# KiCad board ergoducks.kicad_pcb (continued)
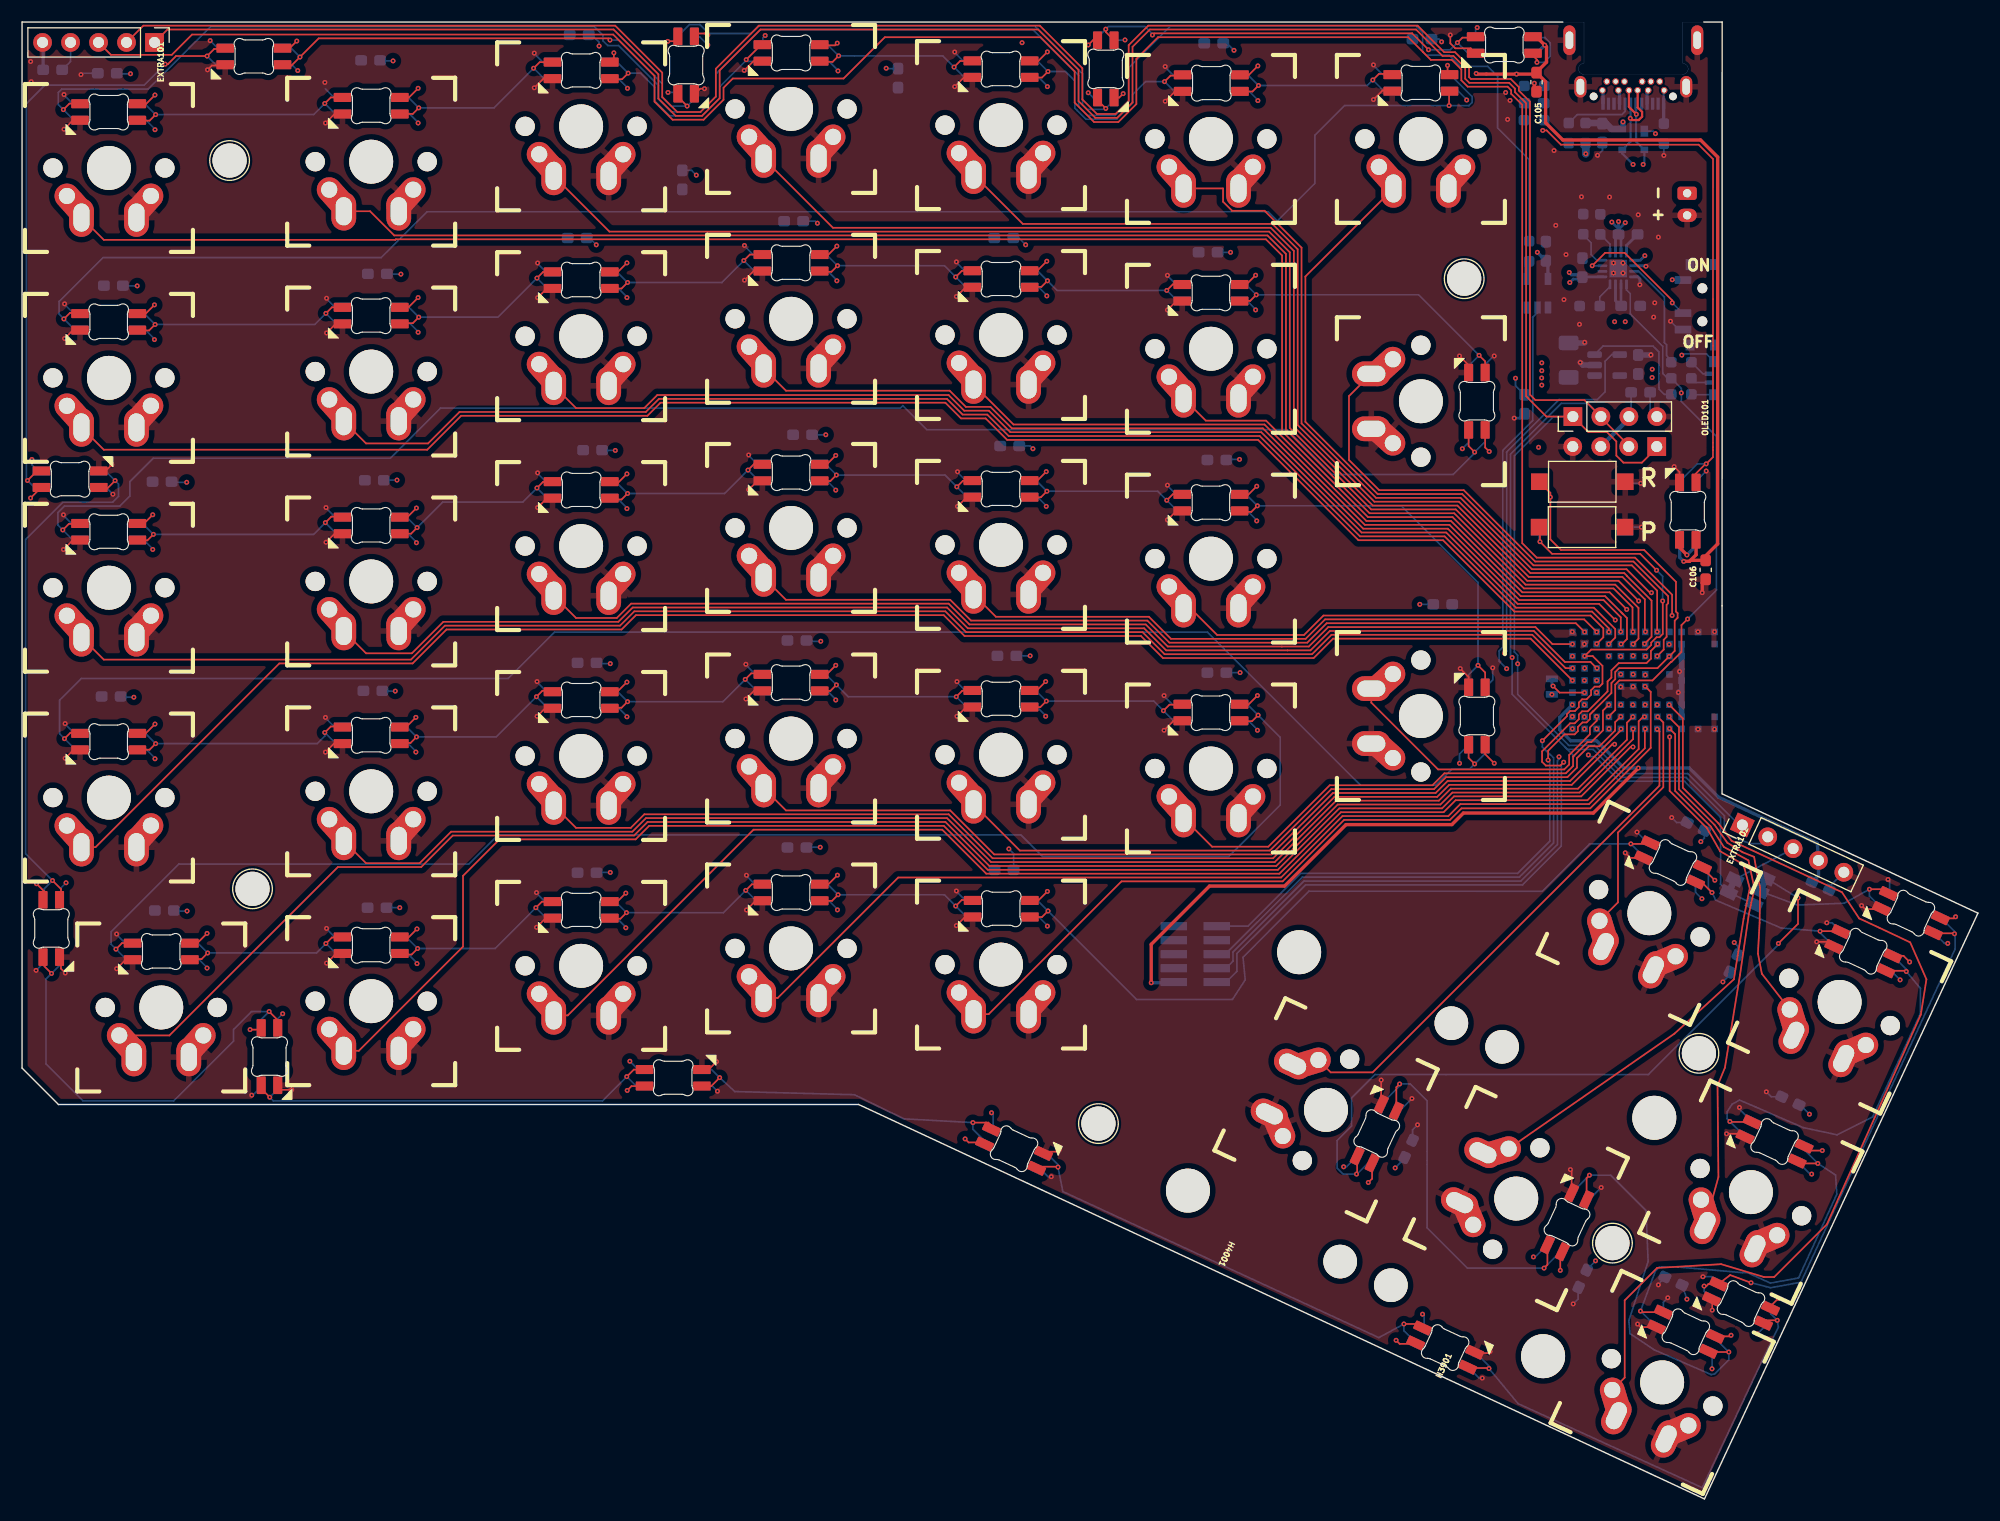
[diagram p0: board, top side]
## Routing (per net, layer and track width the routed paths; a pad name or vN(x,y) marks a point on that pad's centre or on a via; arc(x,y) is an arc through that point) (continued)
/SW07: length 66.5
  Top w0.15: SW901.2 116.45,110.96 116.45,97.77 123.01,91.22 130.68,91.22 137.16,84.74 146.08,84.74 148.37,82.45 v1(148.37,78.71)
/SW08: length 150
  Top w0.15: SW1001.2 7.42,95.24 36.76,95.24 39.85,98.32 56.75,98.32 57.93,99.5 83.78,99.5 85.21,98.08 87.44,98.08 89.39,96.13 112.16,96.13 121.27,87.02 128.94,87.02 135.42,80.55 142.46,80.55 143.99,79.02 v1(143.99,78.69)
/SW09: length 128.2
  Top w0.15: SW1101.2 31.22,95.81 36.84,95.81 39.7,98.67 56.6,98.67 57.79,99.85 83.93,99.85 85.35,98.43 87.58,98.43 89.53,96.48 112.31,96.48 121.41,87.37 129.09,87.37 135.56,80.9 142.63,80.9 144.57,78.96 144.57,78.19 v1(143.98,77.6)
/SW10: length 109.6
  Top w0.15: v1(144.57,79.78) 143.11,81.25 135.71,81.25 129.23,87.72 121.56,87.72 112.45,96.83 89.68,96.83 87.73,98.78 85.5,98.78 84.07,100.2 57.64,100.2 56.46,99.02 50.27,99.02 SW1201.2
  In2.Cu w0.15: v1(144.57,79.78) 144.57,77.1 v1(143.98,76.5)
/SW11: length 88.5
  Top w0.15: SW1301.2 69.32,100.6 84.17,100.6 85.64,99.13 87.87,99.13 89.82,97.18 112.6,97.18 121.7,88.07 129.38,88.07 135.85,81.6 143.5,81.6 145.07,80.03 v1(145.07,78.71)
  Bottom w0.15: 145.07,78.71 U101.E1 145.09,78.74
/SW12: length 70.9
  Top w0.15: 145.24,80.35 145.11,80.48 ; 145.24,80.35 143.65,81.95 136,81.95 129.52,88.42 121.85,88.42 112.74,97.53 89.97,97.53 SW1401.2 ; 145.24,80.35 145.63,79.96 145.63,78.05 145.17,77.6 v1(145.1,77.6)
/SW13: length 52.6
  Top w0.15: v1(145.61,80.75) 144.06,82.3 136.14,82.3 129.67,88.77 121.99,88.77 112.88,97.88 107.42,97.88 SW1501.2
  In2.Cu w0.15: v1(145.07,76.48) 145.61,77.02 v1(145.61,80.75)
/SW14: length 48.6
  Top w0.15: v1(148.37,76.5) 148.97,77.1 148.97,77.99 149.23,78.25 149.23,81.16 149.37,81.3 149.37,81.94 146.22,85.09 137.3,85.09 130.82,91.57 123.15,91.57 120.41,94.31 120.41,100.11 SW1601.2
/SW15: length 141.6
  Top w0.15: SW1701.2 7.42,76.19 35.29,76.19 38.37,79.27 54.26,79.27 55.56,80.57 83.78,80.57 85.67,78.68 85.68,78.68 101.68,78.68 103.68,76.68 117.06,76.68 118.82,78.44 137.04,78.44 140.06,75.41 140.65,75.41
  Bottom w0.15: 140.65,75.41 140.67,75.39 U101.A4
  vias: v1(140.7,75.41)
/SW16: length 120
  Top w0.15: v1(142.91,75.41) 142.89,75.41 142.33,75.97 140,75.97 137.18,78.79 118.67,78.79 116.91,77.03 114.83,77.03 103.82,77.03 101.82,79.03 85.82,79.03 83.93,80.92 55.41,80.92 54.11,79.62 38.23,79.62 35.37,76.76 31.22,76.76 SW1801.2
/SW17: length 96.8
  Top w0.15: SW1901.2 50.27,79.97 53.97,79.97 55.27,81.27 84.08,81.27 85.97,79.38 101.97,79.38 103.97,77.38 116.77,77.38 118.53,79.14 137.33,79.14 138.87,77.59 v1(140.69,77.59)
/SW18: length 78.1
  Top w0.15: SW2001.2 69.32,81.62 84.22,81.62 86.11,79.73 102.11,79.73 104.11,77.73 116.62,77.73 118.39,79.49 140.99,79.49 141.77,78.71
  Bottom w0.15: v1(141.79,78.69) 141.79,78.85
/SW19: length 59.6
  Top w0.15: 143.01,78.84 142.89,78.71 142.89,78.7 v1(142.89,78.69) 141.74,79.84 118.24,79.84 116.48,78.07 104.26,78.07 102.25,80.08 88.37,80.08 SW2101.2
/SW20: length 42
  Top w0.15: v1(142.89,77.62) 142.9,77.62 143.49,78.21 143.49,79.03 142.33,80.19 118.1,80.19 116.33,78.42 108.45,78.42 106.02,80.85 SW2201.2
/SW21: length 27.3
  Top w0.15: SW2301.2 122.43,72.28 128.5,66.22 139.94,66.22 140.39,66.67 140.39,67.53 142.27,69.41 142.27,70.02 142.89,70.64 v1(142.89,71.02)
/SW22: length 147.9
  Top w0.15: SW2401.2 6.67,59.16 23.34,75.84 35.44,75.84 38.52,78.92 54.4,78.92 55.7,80.22 83.64,80.22 85.52,78.33 101.53,78.33 103.53,76.33 117.2,76.33 118.96,78.09 136.89,78.09 v1(140.69,74.29)
/SW23: length 127.5
  Top w0.15: SW2501.2 31.22,57.71 36.08,57.71 38.94,60.57 55.38,60.57 56.61,61.8 83.93,61.8 87.93,57.81 113.66,57.81 119.24,63.38 128.56,63.38 129.65,64.47 ; 129.65,64.47 129.67,64.47 ; 129.65,64.47 141.19,64.47 145.63,68.91 145.63,70.46 v1(146.16,70.99)
/SW24: length 108.8
  Top w0.15: v1(144.51,68.5) 144.3,68.5 140.62,64.82 129.5,64.82 128.42,63.73 119.1,63.73 113.52,58.15 88.07,58.15 84.08,62.15 56.47,62.15 55.24,60.92 50.27,60.92 SW2601.2
  In2.Cu w0.15: v1(146.16,72.09) 146.69,71.56 146.69,69.69 145.5,68.5 v1(144.51,68.5)
/SW25: length 85.1
  Top w0.15: 145.07,69.88 145.07,69.77 140.47,65.17 129.36,65.17 128.27,64.08 118.95,64.08 113.37,58.5 88.22,58.5 84.22,62.5 69.32,62.5 SW2701.2
  Bottom w0.15: 145.1,69.89 v1(145.09,69.89)
/SW26: length 66.5
  Top w0.15: SW2801.2 90.54,58.85 113.23,58.85 118.81,64.43 128.13,64.43 129.21,65.52 140.23,65.52 141.1,66.38 141.1,67.24 142.17,68.32 143.13,68.32 144.56,69.75 ; v1(145.07,71.02) 144.56,70.51 144.56,69.75 ; 144.56,69.75 144.56,69.82
/SW27: length 46.7
  Top w0.15: v1(143.98,72.09) 143.45,71.56 143.45,69.76 142.39,68.7 142.06,68.7 140.75,67.39 140.75,66.53 140.08,65.87 129.07,65.87 127.98,64.78 118.66,64.78 113.08,59.2 107.99,59.2 SW2901.2
  In2.Cu w0.15: 143.88,72.09 v1(143.98,72.09)
  Bottom w0.15: U101.D7 143.99,72.09 v1(143.98,72.09)
/SW28: length 152.7
  Top w0.15: SW3001.2 13.37,42.07 28.66,57.36 36.22,57.36 39.08,60.22 55.53,60.22 56.76,61.45 83.79,61.45 87.78,57.46 113.81,57.46 119.39,63.03 128.71,63.03 129.79,64.12 141.33,64.12 146.19,68.98 146.19,69.89 v1(146.19,69.89)
/SW29: length 140.3
  Top w0.15: v1(146.18,68.26) 145.97,68.26 141.48,63.77 129.94,63.77 128.85,62.68 119.53,62.68 113.95,57.11 87.64,57.11 83.64,61.1 56.9,61.1 55.67,59.87 43.32,59.87 40.02,56.57 40.02,50.14 30.56,40.68 SW3101.2
  In2.Cu w0.15: v1(146.18,68.26) 146.36,68.26 147.79,69.69 147.79,71.58 v1(147.28,72.09)
/SW30: length 115
  Top w0.15: SW3201.2 49.52,43.89 66.38,60.75 83.5,60.75 87.49,56.76 114.1,56.76 119.68,62.33 128.99,62.33 130.08,63.42 142.05,63.42 146.7,68.07 146.7,70.59 147.1,70.99 v1(147.23,70.99)
/SW31: length 91.2
  Top w0.15: v1(147.29,69.89) 147.26,69.93 147.25,69.93 147.25,68.14 142.19,63.07 130.51,63.07 129.42,61.99 119.82,61.99 114.24,56.41 79.5,56.41 68.57,45.47 SW3301.2
/SW32: length 77.3
  Top w0.15: SW3401.2 87.71,44 99.77,56.06 114.39,56.06 119.97,61.64 129.57,61.64 130.62,62.69 142.3,62.69 147.79,68.18 147.79,73.25 v1(147.28,73.76)
/SW33: length 21.1
  Top w0.15: v1(148.42,70.99) 148.93,70.48 148.93,64.61 144.82,60.49 144.82,54.15 SW3501.2
/SW34: length 31.1
  Top w0.15: SW3601.2 157.87,47.68 157.52,49.5 157.67,52.3 157.72,55.5 157.49,56.48 157.17,58.28 156.12,58.7 154.74,59.56 153.58,61.19 150.35,64.41 150.35,70.05 149.46,70.94 v1(149.46,71.02)
/SW35: length 48.9
  Top w0.15: v1(149.49,69.93) 150,69.41 150,64.27 153.22,61.05 154.42,59.18 156.65,57.96 157.2,55.42 156.69,53.07 155.89,47.57 154.52,39.14 153.85,37.51 153.93,29.22 SW3701.2
  Bottom w0.15: U101.J9 149.49,69.92 v1(149.49,69.93)
/SW36: length 91.7
  Top w0.15: SW3801.2 145.43,11.02 145.43,18.03 148.37,20.97 154.17,21.31 158.07,20.14 158.99,20.14 163.77,24.92 172.3,43.97 172.81,47.17 171.33,50.52 168.54,51.84 166.7,52.69 165.14,55.07 155.12,59.74 153.94,61.32 150.7,64.56 150.7,70.85 v1(149.46,72.09)
/SW37: length 54.2
  Top w0.15: SW3901.2 149.95,42.24 155.33,47.17 155.89,50.62 156.22,52.68 156.77,55.43 156.2,57.59 154.08,58.79 152.89,60.88 149.51,64.27 v1(149.51,69.17)
  In2.Cu w0.15: v1(149.51,69.17) 148.97,69.71 148.97,71.49 v1(148.37,72.09)
/SW38: length 47.4
  Top w0.15: v1(148.37,69.88) 148.58,69.67 148.58,64.75 122.55,38.72 118.76,38.72 SW4001.2
  Bottom w0.15: U101.H9 148.39,69.89 v1(148.37,69.88)
/SWDCLK: length 62.9
  In2.Cu w0.15: v1(139.47,67.37) 139.47,67.37 140.1,67.37 140.66,66.81 142.12,66.81 144.31,69 145.04,69 145.59,69.55 145.59,72.22 145.99,72.62 148.17,72.62 149.31,73.76 149.31,75.62 149.96,76.27 149.96,77.07 v1(149.46,77.57)
  Bottom w0.15: J101.4 109.26,48.18 109.89,48.81 109.89,49.65 116.32,56.09 136,56.09 139.33,59.41 139.33,67.02 139.47,67.16 v1(139.47,67.37)
/SWDIO: length 64.3
  Top w0.15: v1(139.89,66.87) 139.58,66.57 138.27,66.57 137.93,66.91 137.93,67.86 140.47,70.4 140.88,70.4 141.27,70.79 141.27,71.2 141.56,71.49 142.06,71.49 143.87,73.3 143.87,74.21 144.22,74.56 144.22,75.21 144.89,75.87 147.41,75.87 147.81,76.27 147.81,76.98 v1(148.42,77.6)
  Bottom w0.15: v1(139.89,66.87) 139.68,66.66 139.68,59.27 136.15,55.74 116.47,55.74 110.24,49.51 110.24,47.89 109.26,46.91 J101.2
/switch1/DIN: length 176.8
  Top w0.15: 5.5,126.66 4.3,126.66 v1(3.75,126.11)
  Bottom w0.15: 133.89,128.46 133.89,124.43 136.75,121.58 R101.2 ; 133.89,128.46 133.89,129.13 133,130.03 130.53,130.03 129.51,131.04 127.42,131.04 127.09,131.37 127.09,133.1 126.46,133.73 104.24,133.73 100.42,129.91 100.42,126.83 99.17,125.58 96.69,125.58 95.88,126.39 95.88,129.21 91.72,133.37 66.99,133.37 66.11,132.49 66.11,132.49 62.96,129.34 62.96,127.28 61.58,125.9 58.91,125.9 57.74,127.07 57.74,128.31 54.12,131.93 53.15,131.93 52.71,132.36 52.71,132.86 51.93,133.64 17.11,133.64 11.45,127.98 3.6,127.98 3.29,127.67 3.29,126.57 v1(3.75,126.11) 4.71,125.15 5.5,125.15 ; 133.89,128.46 133.89,128.65
/switch1/DOUT: length 24
  Top w0.15: v1(12.12,125.66) 11.57,125.11 10.37,125.11 ; 29.22,127.21 28.02,127.21 v1(27.47,126.67)
  Bottom w0.15: 10.37,126.62 11.16,126.62 v1(12.12,125.66) 26.46,125.66 v1(27.47,126.67) 28.43,125.7 29.22,125.7
/switch2/DOUT: length 20.2
  Top w0.15: 48.17,130.41 46.97,130.41 v1(46.42,129.87) ; v1(36,126.27) 35.45,125.72 34.25,125.72
  Bottom w0.15: 34.25,127.23 35.04,127.23 v1(36,126.27) 42.82,126.27 v1(46.42,129.87) 47.38,128.91 48.17,128.91
/switch3/DOUT: length 23.7
  Top w0.15: v1(55,129.42) 54.45,128.87 53.25,128.87 ; 67.22,131.99 67.06,131.99 v1(65.71,130.64)
  Bottom w0.15: 55.07,129.34 v1(55,129.42) ; v1(55,129.42) 56.14,129.42 57.39,128.16 57.39,126.91 58.75,125.55 61.73,125.55 63.31,127.14 63.31,128.18 65.71,130.58 v1(65.71,130.64) 65.88,130.48 67.22,130.48 ; v1(55,129.42) 54.04,130.38 53.25,130.38
/switch4/DOUT: length 19.1
  Top w0.15: v1(74.1,130.99) 73.55,130.44 72.35,130.44 ; 86.32,130.52 85.12,130.52 v1(84.57,129.97)
  Bottom w0.15: 86.32,129.01 85.53,129.01 v1(84.57,129.97) 83.56,130.98 75.55,130.98 75.54,130.99 v1(74.1,130.99) 73.14,131.95 72.35,131.95
/switch5/DOUT: length 23.9
  Top w0.15: 91.35,129.02 92.55,129.02 v1(93.1,129.57) ; 105.42,129.2 104.22,129.2 v1(103.67,128.65)
  Bottom w0.15: 105.42,127.69 104.63,127.69 v1(103.67,128.65) 101.95,128.65 100.77,127.47 100.77,126.69 99.32,125.23 96.55,125.23 95.53,126.25 95.53,128.71 94.68,129.57 v1(93.1,129.57) 92.14,130.53 91.35,130.53
/switch6/DOUT: length 18.8
  Top w0.15: 110.45,127.75 111.65,127.75 v1(112.2,128.3) ; 124.32,129.35 123.12,129.35 v1(122.57,128.8)
  Bottom w0.15: 110.45,129.26 111.24,129.26 v1(112.2,128.3) 122.07,128.3 v1(122.57,128.8) 123.53,127.84 124.32,127.84
/switch7/DOUT: length 149.8
  Top w0.15: 5.55,107.66 4.35,107.66 v1(3.8,107.11) ; 129.4,127.8 129.49,127.71 v1(129.49,126.47)
  Bottom w0.15: 129.4,129.31 129.56,129.31 131.59,127.29 131.59,126.77 131.29,126.47 v1(129.49,126.47) 129.49,126.48 120.01,126.48 117.31,123.77 117.31,119.41 113.9,116 113.07,116.84 36.75,116.84 32.58,112.67 7.35,112.67 3.36,108.69 3.36,107.55 v1(3.8,107.11) 4.76,106.15 5.55,106.15
/switch8/DOUT: length 24.2
  Top w0.15: v1(27.57,107.62) 28.12,108.16 29.32,108.16 ; v1(12.07,106.61) 11.52,106.06 10.32,106.06
  Bottom w0.15: 29.32,106.65 28.54,106.65 v1(27.57,107.62) 26.56,106.61 v1(12.07,106.61) 11.11,107.57 10.32,107.57
/switch10/DIN: length 20.4
  Top w0.15: 34.25,106.72 35.45,106.72 v1(36,107.27) ; v1(46.73,110.82) 47.27,111.36 48.47,111.36
  Bottom w0.15: 48.47,109.85 47.69,109.85 v1(46.73,110.82) 43.18,107.27 v1(36,107.27) 35.04,108.23 34.25,108.23
/switch10/DOUT: length 19.6
  Top w0.15: v1(54.95,110.42) 54.4,109.87 53.2,109.87 ; 67.24,112.95 66.04,112.95 v1(65.5,112.41)
  Bottom w0.15: 53.2,111.38 53.99,111.38 v1(54.95,110.42) 63.51,110.42 v1(65.5,112.41) 66.46,111.44 67.24,111.44
/switch11/DOUT: length 19.4
  Top w0.15: v1(84.72,110.92) 85.27,111.47 86.47,111.47 ; 72.25,111.39 73.45,111.39 v1(74,111.94)
  Bottom w0.15: 86.47,109.96 85.69,109.96 v1(84.72,110.92) 83.7,111.94 v1(74,111.94) 73.04,112.9 72.25,112.9
/switch12/DOUT: length 19.4
  Top w0.15: 105.62,110.25 104.42,110.25 v1(103.88,109.7) ; 91.3,110.02 92.5,110.02 v1(93.05,110.57)
  Bottom w0.15: 91.3,111.53 92.09,111.53 v1(93.05,110.57) 93.92,109.7 v1(103.88,109.7) 104.84,108.74 105.62,108.74
/switch13/DOUT: length 30.7
  Top w0.15: 132.76,102.06 132.76,103.26 v1(132.21,103.81) ; 110.25,108.75 111.45,108.75 v1(112,109.3)
  Bottom w0.15: 110.25,110.26 111.03,110.26 v1(112,109.3) 126.72,109.3 v1(132.21,103.81) 131.25,102.84 131.25,102.06
/switch14/DOUT: length 147.4
  Top w0.15: v1(3.7,87.96) 4.25,88.5 5.45,88.5 ; D1601.2 131.26,95.57 v1(131.81,95.02)
  Bottom w0.15: 5.45,86.99 4.66,86.99 v1(3.7,87.96) 3.26,88.4 3.26,89.54 3.84,90.12 8.87,90.12 9.78,91.03 9.78,92.34 11.9,94.46 33.42,94.46 37.97,99.02 79.7,99.02 79.92,99.24 82.1,97.05 114.79,97.05 118.86,92.99 129.86,92.99 131.81,94.95 v1(131.81,95.02) 132.77,95.98 D1601.2
/switch15/DOUT: length 24.3
  Top w0.15: v1(11.92,87.56) 11.37,87.01 10.17,87.01 ; 29.27,89.17 28.07,89.17 v1(27.52,88.62)
  Bottom w0.15: 10.17,88.52 10.96,88.52 v1(11.92,87.56) 26.46,87.56 v1(27.52,88.62) 28.48,87.66 29.27,87.66
/switch16/DOUT: length 20.6
  Top w0.15: 34.1,87.62 35.3,87.62 v1(35.85,88.17) ; v1(46.73,91.77) 47.27,92.31 48.47,92.31
  Bottom w0.15: 48.47,90.8 47.69,90.8 v1(46.73,91.77) 45.45,90.49 38.17,90.49 v1(35.85,88.17) 34.89,89.13 34.1,89.13
/switch17/DOUT: length 20.1
  Top w0.15: v1(65.88,93.39) 66.43,93.94 67.63,93.94 ; v1(54.95,91.27) 54.4,90.72 53.2,90.72
  Bottom w0.15: 67.63,92.43 66.84,92.43 v1(65.88,93.39) 63.75,91.27 v1(54.95,91.27) 53.99,92.23 53.2,92.23
/switch18/DOUT: length 19.6
  Top w0.15: 86.57,92.42 85.37,92.42 v1(84.83,91.87) ; 72.15,92.39 73.35,92.39 v1(73.9,92.94)
  Bottom w0.15: 86.57,90.91 85.79,90.91 v1(84.83,91.87) 83.75,92.94 v1(73.9,92.94) 72.93,93.9 72.15,93.9
/switch19/DOUT: length 19.5
  Top w0.15: 91.25,90.92 92.45,90.92 v1(93,91.47) ; 105.62,91.2 104.42,91.2 v1(103.88,90.65)
  Bottom w0.15: 105.62,89.69 104.84,89.69 v1(103.88,90.65) 103.06,91.47 v1(93,91.47) 92.04,92.43 91.25,92.43
/switch20/DOUT: length 39.2
  Top w0.15: D2301.4 132.76,75.02 v1(132.12,75.67) ; 110.35,89.6 111.55,89.6 v1(112.1,90.15)
  Bottom w0.15: 110.35,91.11 111.14,91.11 v1(112.1,90.15) 125.15,90.15 132.12,83.19 v1(132.12,75.67) 131.27,74.82 D2301.4
/switch21/DOUT: length 149.4
  Top w0.15: D2301.2 131.26,67.27 v1(131.81,66.72) ; v1(3.85,69.01) 4.4,69.56 5.6,69.56
  Bottom w0.15: 5.6,68.05 4.81,68.05 v1(3.85,69.01) 3.41,69.45 3.41,72.51 5.37,74.47 44.11,74.47 48.31,78.68 107.56,78.68 121.46,64.78 128.28,64.78 129.78,66.28 131.37,66.28 v1(131.81,66.72) 132.77,67.68 D2301.2
/switch22/DOUT: length 24.2
  Top w0.15: 29.22,70.12 28.02,70.12 v1(27.47,69.57) ; v1(12.12,68.56) 11.57,68.01 10.37,68.01
  Bottom w0.15: 29.22,68.61 28.43,68.61 v1(27.47,69.57) 27.47,69.25 26.78,68.56 v1(12.12,68.56) 11.16,69.52 10.37,69.52
/switch23/DOUT: length 20.6
  Top w0.15: v1(35.8,69.17) 35.25,68.62 34.05,68.62 ; v1(46.67,72.82) 47.22,73.37 48.42,73.37
  Bottom w0.15: 34.05,70.13 34.83,70.13 v1(35.8,69.17) 43.02,69.17 v1(46.67,72.82) 47.64,71.86 48.42,71.86
/switch24/DOUT: length 19.8
  Top w0.15: v1(65.62,74.39) 66.17,74.94 67.37,74.94 ; v1(54.95,72.37) 54.4,71.82 53.2,71.82
  Bottom w0.15: 67.37,73.43 66.58,73.43 v1(65.62,74.39) 63.6,72.37 v1(54.95,72.37) 53.99,73.33 53.2,73.33
/switch25/DOUT: length 19.6
  Top w0.15: 72.15,73.34 73.35,73.34 v1(73.9,73.89) ; v1(84.77,72.82) 85.32,73.37 86.52,73.37
  Bottom w0.15: 86.52,71.86 85.74,71.86 v1(84.77,72.82) 74.97,72.82 v1(73.9,73.89) 72.93,74.85 72.15,74.85
/switch26/DOUT: length 19.2
  Top w0.15: 105.32,72.1 104.12,72.1 v1(103.57,71.55) ; v1(92.95,72.42) 92.4,71.87 91.2,71.87
  Bottom w0.15: 91.2,73.38 91.98,73.38 v1(92.95,72.42) 102.7,72.42 v1(103.57,71.55) 104.53,70.59 105.32,70.59
/switch27/DOUT: length 131.5
  Top w0.15: v1(112.16,71.15) 111.61,70.6 110.41,70.6 ; 10.27,50.46 9.07,50.46 v1(8.52,49.91)
  Bottom w0.15: 10.27,48.95 9.49,48.95 v1(8.52,49.91) 8.08,50.35 8.08,51.49 14.23,57.63 40.55,57.63 43.19,60.27 90.64,60.27 92.59,58.32 109.5,58.32 114.17,62.98 114.17,69.14 v1(112.16,71.15) 111.2,72.11 110.41,72.11
/switch28/DOUT: length 19.3
  Top w0.15: v1(16.85,49.56) 16.3,49.01 15.1,49.01 ; v1(27.57,50.42) 28.12,50.96 29.32,50.96
  Bottom w0.15: 15.1,50.52 15.89,50.52 v1(16.85,49.56) 26.72,49.56 v1(27.57,50.42) 28.54,49.45 29.32,49.45
/switch29/DOUT: length 20.5
  Top w0.15: v1(35.9,49.97) 35.35,49.42 34.15,49.42 ; v1(46.62,53.67) 47.17,54.21 48.37,54.21
  Bottom w0.15: 34.15,50.93 34.94,50.93 v1(35.9,49.97) 42.92,49.97 v1(46.62,53.67) 47.59,52.7 48.37,52.7
/switch30/DOUT: length 19.9
  Top w0.15: 67.42,55.79 66.22,55.79 v1(65.67,55.24) ; 53.1,52.67 54.3,52.67 v1(54.85,53.22)
  Bottom w0.15: 53.1,54.18 53.88,54.18 v1(54.85,53.22) 63.65,53.22 v1(65.67,55.24) 66.64,54.28 67.42,54.28
/switch31/DOUT: length 19.3
  Top w0.15: 72.3,54.29 73.5,54.29 v1(74.05,54.84) ; v1(84.72,53.82) 85.27,54.37 86.47,54.37
  Bottom w0.15: 72.3,55.8 73.09,55.8 v1(74.05,54.84) 83.7,54.84 v1(84.72,53.82) 85.69,52.86 86.47,52.86
/switch32/DOUT: length 71.4
  Top w0.15: 91.35,52.82 92.55,52.82 v1(93.1,53.37) ; v1(145.98,59.46) 147.68,59.46 D3501.4
  Bottom w0.15: 91.35,54.33 92.14,54.33 v1(93.1,53.37) 101.13,45.34 109.84,45.34 110.99,47.12 110.79,49.16 116.76,55.16 137.95,55.16 142.25,59.46 v1(145.98,59.46) 147.14,58.31 D3501.4
/switch33/DOUT: length 19.2
  Top w0.15: v1(163.16,51.54) 165,51.54 D3601.4 ; D3501.2 152.4,55.99 v1(153.35,55.04)
  Bottom w0.15: D3501.2 153.03,56.82 153.03,55.37 v1(153.35,55.04) 153.68,54.35 159.63,51.82 v1(163.16,51.54) 163.09,51.47 D3601.4
/switch34/DOUT: length 38.1
  Top w0.15: D3701.4 155.01,34.22 v1(154.97,34.26) ; D3601.2 170.92,47.94 v1(170.98,47.88)
  Bottom w0.15: D3701.4 v1(154.97,34.26) 154.72,34.51 154.72,35.15 155.17,35.83 155.84,36.2 157.3,35.58 161.63,33.7 164.69,33.05 167.93,34.68 172.26,44.05 172.26,46.35 v1(170.98,47.88) 170.98,48.08 D3601.2
/switch35/DOUT: length 37.5
  Top w0.15: D3701.2 161.28,30.45 v1(162.95,30.45) ; v1(146.86,17.05) 146.96,16.96 D3801.4
  Bottom w0.15: D3701.2 161.7,31.7 v1(162.95,30.45) 164.56,29.4 164.67,27.65 161.22,20.1 161.15,20.05 158.64,19.59 156.55,20.54 156.12,20.54 150.3,21.05 148.58,21.05 148.2,20.67 v1(146.86,17.05) D3801.4
/switch36/DOUT: length 37.5
  Top w0.15: D3801.2 153.08,13.34 v1(154.87,13.34) ; D3901.4 141.97,29.13 v1(142.23,29.39)
  Bottom w0.15: D3901.4 140.63,27.79 v1(142.23,29.39) 144.16,29.39 147.36,26.18 147.55,21.56 145.8,16.18 145.91,15.01 148.1,13.54 153.28,11.29 153.6,11.35 154.87,12.63 v1(154.87,13.34) 153.65,14.56 D3801.2
/switch37/DOUT: length 36.4
  Top w0.15: v1(138.11,20.95) 138.41,21.26 D3901.2 ; v1(125,37.67) 124.71,37.37 D4001.4
  Bottom w0.15: D4001.4 125,37.49 v1(125,37.67) 125.97,37.67 127.49,36.14 127.49,24.61 131.15,20.95 v1(138.11,20.95) 139.6,22.45 D3901.2
/switch38/DOUT: length 65.3
  Top w0.15: D4001.2 121.15,29.6 ; v1(159.37,50.42) 161.15,52.2 v1(161.15,54.55)
  Bottom w0.15: 121.21,29.38 v1(121.09,29.49) 119.88,29.49 119.33,30.03 119.33,32.53 120.64,33.84 120.64,36.4 122.76,38.52 147.58,38.52 159.37,50.32 v1(159.37,50.42) ; JP101.1 v1(161.15,54.55) ; 121.14,29.49 122.46,30.8
/TWI_SCL: length 258.8
  Top w0.15: 145.9,95.52 143.27,98.16 OLED101.2 141.77,99.74 137.33,99.74 136.83,100.24 136.83,126.83 135.82,127.84 135.82,128.16 135.09,128.89 131.47,128.89 131.31,129.06 131.31,130.05 130.03,131.33 129.04,131.33 126.64,133.73 102.19,133.73 100.42,131.96 100.42,126.91 99.23,125.71 97.53,125.71 96.21,127.03 96.21,129.87 92.35,133.73 66.87,133.73 62.95,129.82 62.95,127.29 61.55,125.89 59.46,125.89 58.09,127.26 58.09,129.46 53.82,133.73 11,133.73 EXTRA101.2
  In1.Cu w0.15: v1(140.69,76.49) 140.46,76.26 135.96,76.26 135.85,76.38 v1(135.22,76.38)
  Bottom w0.15: EXTRA102.2 157.79,59.49 156.83,59.49 154.69,60.25 154.47,60.88 154.47,62.02 151,65.49 145.11,65.49 142.57,68.03 140.23,68.03 140.01,68.25 ; OLED101.2 142.07,99.44 139.67,99.44 135.07,94.83 135.07,76.53 v1(135.22,76.38) 135.22,73.05 140.01,68.25 ; 140.01,68.25 140.86,67.4
/TWI_SDA: length 251.6
  Top w0.15: 148.44,95.52 146.99,94.07 145.31,94.07 144.67,94.71 144.67,95.99 143.81,96.84 142.13,96.84 OLED101.1 138.33,98.25 136.48,100.09 136.48,126.69 135.47,127.69 135.47,128.01 134.94,128.54 131.33,128.54 130.96,128.91 130.96,129.9 129.88,130.98 128.9,130.98 126.49,133.38 102.34,133.38 100.77,131.81 100.77,126.76 99.37,125.37 97.39,125.37 95.86,126.89 95.86,129.72 92.21,133.38 67.01,133.38 63.3,129.67 63.3,127.15 61.7,125.54 59.31,125.54 57.74,127.11 57.74,129.32 53.68,133.38 13.19,133.38 EXTRA101.1
  In1.Cu w0.15: v1(141.79,75.41) 141.29,75.91 135.82,75.91 v1(135.71,75.8)
  Bottom w0.15: EXTRA102.1 155.81,61.18 151.14,65.84 145.25,65.84 142.7,68.4 140.36,68.4 135.71,73.04 v1(135.71,75.8) 135.71,76.58 135.41,76.88 135.41,94.69 138.97,98.25 OLED101.1
/USB_D+: length 76.2
  Top w0.2: v1(145.93,125.32) 146.09,125.16 146.7,125.16 147.01,125.47 147.01,125.91 146.61,126.31 J201.D+
  In2.Cu w0.2: v1(146.19,121.13) 146.82,120.5 arc(147,120.38) 147.21,120.34 151.87,120.34 arc(152.49,120.22) 153.02,119.86 arc(153.27,119.5) 153.35,119.06 153.35,117.64 153.36,117.63 153.36,85.94 153.36,85.81 153.32,85.55 153.26,85.3 153.16,85.06 153.02,84.83 152.87,84.62 152.77,84.53 152.41,84.17 152.32,84.08 152.11,83.92 151.89,83.79 151.64,83.69 151.39,83.62 151.13,83.58 151,83.58 147.41,83.58 147.28,83.58 147.02,83.55 146.76,83.48 146.52,83.38 146.29,83.25 146.09,83.09 145.99,83 142.68,79.68 142.6,79.6 142.48,79.42 142.4,79.22 142.36,79.01 142.35,78.9 142.35,76.92 142.36,76.85 142.39,76.73 142.46,76.61 142.5,76.57 143.86,75.2 143.91,75.15 143.98,75.04 144.01,74.91 144.01,74.85 144.01,73.7 144.01,73.64 143.98,73.51 143.91,73.4 143.86,73.35 142.51,71.99 142.46,71.95 142.4,71.83 142.36,71.7 142.36,71.64 142.36,70.63 142.36,70.57 142.4,70.44 142.46,70.33 142.51,70.28 v1(142.89,69.9)
  Bottom w0.2: D202.3 145.96,123.2 J201.D+ ; 145.2,122.48 145.2,122.12 v1(146.19,121.13)
/USB_D-: length 74.9
  Top w0.2: v1(146.48,125.69) 145.81,126.36 J201.D-
  In2.Cu w0.2: 153.76,117.8 153.76,119.8 arc(153.67,120.22) 153.43,120.58 arc(152.82,120.99) 152.1,121.13 v1(147.1,121.13) ; 153.76,117.8 153.76,85.78 153.76,85.65 153.72,85.39 153.66,85.13 153.56,84.89 153.42,84.66 153.26,84.46 153.17,84.36 152.58,83.77 152.49,83.68 152.28,83.52 152.05,83.39 151.81,83.29 151.56,83.22 151.3,83.18 151.16,83.18 149.9,83.18 149.87,83.15 149.79,83.1 149.73,83.02 149.7,82.93 149.7,82.88 149.7,82.53 149.7,82.48 149.67,82.39 149.62,82.32 149.54,82.26 149.45,82.23 149.4,82.23 149.36,82.23 149.27,82.26 149.19,82.32 149.13,82.39 149.1,82.48 149.1,82.53 149.1,82.88 149.1,82.93 149.07,83.02 149.02,83.1 148.94,83.15 148.85,83.18 148.8,83.18 147.58,83.18 147.45,83.18 147.19,83.15 146.94,83.08 146.7,82.98 146.47,82.85 146.26,82.69 146.17,82.6 145.02,81.45 145.01,81.45 144.52,80.96 144.39,80.83 144.16,80.55 143.96,80.24 143.79,79.92 143.65,79.59 143.54,79.24 143.47,78.89 143.44,78.52 143.44,78.34 143.44,76.49 143.44,76.43 143.47,76.3 143.54,76.19 143.58,76.14 144.26,75.46 144.31,75.41 144.37,75.3 144.41,75.17 144.41,75.1 144.41,73.54 144.41,73.47 144.37,73.34 144.31,73.23 144.26,73.18 143.57,72.49 143.53,72.45 143.46,72.33 143.43,72.21 143.43,72.14 143.43,70.68 143.43,70.62 143.46,70.49 143.53,70.38 143.57,70.33 v1(144,69.9) ; 153.76,117.8 153.75,117.8
  Bottom w0.2: J201.D- 146.46,123.2 D202.2 147.21,121.24 v1(147.1,121.13)
Net-(C208-Pad1): length 14.5
  In2.Cu w0.5: J201.VBUS 144.86,125.41 v1(145.27,124.99) 145.3,124.99 145.65,124.64 146.6,124.64 147.56,125.6 J201.VBUS
  Bottom w0.3: J201.VBUS 147.46,127.76 J201.VBUS ; J201.VBUS 144.96,127.76 J201.VBUS
  Bottom w0.5: D202.4 145.27,124.42 v1(145.27,124.99)
  Bottom w0.6: D202.4 144.23,124.35 143.7,124.89 142.23,124.89
Net-(D101-Pad2): length 49.2
  Top w0.15: v1(175.35,51.3) 175.31,51.34 173.56,51.34 ; v1(156.89,19.62) 154.99,20.32 D102.4 ; v1(152.63,19.32) 152.84,19.32 153.03,19.51 153.96,19.51
  Bottom w0.15: v1(152.63,19.32) 152.63,18.86 153.33,18.16 ; v1(156.89,19.62) 158.66,19.17 161.42,19.68 175.4,49.9 175.4,51.25 v1(175.35,51.3) 175.35,51.52 174.19,52.69
Net-(D101-Pad4): length 14.8
  Top w0.15: v1(167.63,55.34) 169.03,55.34 169.48,54.9
  Bottom w0.15: 168.84,53.53 167.63,54.74 v1(167.63,55.34) 165.34,54.07 161.09,53.91 JP101.2
Net-(D102-Pad2): length 45.6
  Top w0.15: 158.04,15.96 158.3,16.21 v1(159.27,16.21) ; v1(133.11,11.84) 133.07,11.88 131.32,11.88
  Bottom w0.15: 158.68,17.32 158.68,16.81 v1(159.27,16.21) 159.37,15.59 157.9,12.57 152.46,1.02 135.75,8.65 v1(133.11,11.84) 133.11,12.06 131.95,13.23
Net-(D103-Pad2): length 44.5
  Top w0.15: 127.24,15.44 126.79,15.88 v1(125.39,15.88) ; 92.21,30.16 93.96,30.16 v1(94,30.12)
  Bottom w0.15: 126.6,14.07 125.39,15.28 v1(125.39,15.88) 123.11,14.64 94.44,27.9 v1(94,30.12) 94,30.34 92.84,31.51
Net-(D104-Pad2): length 32.3
  Top w0.15: 61.65,37.47 62.53,37.47 v1(63.3,38.24) ; v1(86.28,34.16) 87.68,34.16 88.13,33.72
  Bottom w0.15: 61.65,38.98 62.56,38.98 v1(63.3,38.24) 64.67,36.98 75.52,36.69 80.02,34.5 v1(86.28,34.16) 86.28,33.56 87.49,32.35
Net-(D105-Pad2): length 39.7
  Top w0.15: v1(22.48,36.46) 21.69,37.25 21.69,37.38 ; v1(54.87,38.33) 55.51,38.97 56.45,38.97
  Bottom w0.15: 23.18,37.38 23.18,37.17 v1(22.48,36.46) 22.81,36.13 52.68,36.13 v1(54.87,38.33) 55.72,37.48 56.45,37.48
Net-(D106-Pad2): length 41.7
  Top w0.15: v1(22.42,44.24) 23.19,43.47 23.19,42.58 ; v1(2.67,47.7) 2.03,48.34 2.03,49.27
  Bottom w0.15: 21.68,42.58 21.68,43.5 v1(22.42,44.24) 20.82,44.24 19.19,42.61 19.19,41.57 13.76,36.13 5.53,36.13 2.17,39.49 2.17,47.2 v1(2.67,47.7) 3.52,48.55 3.52,49.27
Net-(D107-Pad2): length 51.5
  Top w0.15: 6.79,91.66 7.67,91.66 v1(8.44,92.43) ; 3.53,54.47 3.53,55.36 v1(2.76,56.13)
  Bottom w0.15: 2.02,54.47 2.02,55.39 v1(2.76,56.13) 0.33,58.57 0.33,87.1 3.7,90.47 8.22,90.47 8.75,91 8.75,92.12 v1(8.44,92.43) 7.7,93.17 6.79,93.17
Net-(D108-Pad2): length 59.1
  Top w0.15: v1(0.49,92.44) 1.21,93.16 1.59,93.16 ; v1(12.99,130.23) 13.23,130.23 13.97,130.97 v1(16.79,130.97) 17.43,131.61 18.36,131.61
  Bottom w0.15: v1(16.79,130.97) 17.64,130.12 18.36,130.12 ; 1.59,91.67 1.26,91.67 v1(0.49,92.44) 0.39,92.54 0.39,126.65 2.13,128.39 2.2,128.33 11.09,128.33 v1(12.99,130.23)
Net-(D109-Pad2): length 45.8
  Top w0.15: v1(60.35,126.43) 59.55,127.23 59.55,127.52 ; 23.56,130.11 24.45,130.11 v1(25.22,130.88) 26.91,132.57 53.2,132.57 v1(53.35,132.42)
  Bottom w0.15: 23.56,131.62 24.48,131.62 v1(25.22,130.88) ; v1(53.35,132.42) 54.12,132.42 58.09,128.45 58.09,127.21 58.87,126.43 v1(60.35,126.43) 61.06,127.14 61.06,127.52
Net-(D110-Pad2): length 49.8
  Top w0.15: D111.4 97.59,126.96 v1(98.34,126.21) ; 61.9,133.02 62.08,133.02 v1(62.22,132.88) ; 61.9,133.02 61.31,133.02 61.04,132.75 ; 61.9,133.02 62.22,133.02
  Bottom w0.15: 59.53,132.75 59.53,132.8 60.56,133.83 61.51,133.83 62.22,133.11 62.22,133.02 66.15,133.02 66.85,133.72 91.87,133.72 96.23,129.35 96.23,126.54 96.64,126.13 98.25,126.13 v1(98.34,126.21) 99.08,126.96 D111.4 ; 59.56,132.72 59.56,133.44
Net-(D111-Pad2): length 39.6
  Top w0.15: v1(102.57,132.88) 102.72,133.03 126.14,133.03 v1(127.62,131.54) ; D111.2 98.34,133.16 v1(98.34,133.41) ; 131.77,132.64 130.7,132.64 v1(130.25,132.19)
  Bottom w0.15: 131.77,131.15 131.28,131.15 v1(130.25,132.19) 129.6,131.54 v1(127.62,131.54) ; v1(102.57,132.88) 102.57,132.97 101.89,133.65 98.58,133.65 v1(98.34,133.41) 97.58,132.66 D111.2
Net-(D112-Pad2): length 64.4
  Top w0.15: v1(137.47,130.4) 137.47,130.64 136.97,131.14 ; v1(137.99,124.22) 138.34,124.22 139.64,122.93 152.14,122.93 153.44,121.62 153.44,108.89 153.44,95.87 153.44,95.45 153.44,94.57 v1(152.83,93.95) 152.77,93.95 151.86,93.05 151.86,92.29
  In2.Cu w0.15: v1(137.47,130.4) 137.07,130 135.58,130 135.1,129.53 135.1,129.13 136.3,127.94 136.3,125.92 v1(137.99,124.22)
  Bottom w0.15: 150.35,92.29 152.02,93.95 v1(152.83,93.95) ; v1(137.47,130.4) 138.11,130.4 138.67,130.96 138.67,132.17 138.19,132.65 136.97,132.65
Net-(D201-Pad1): length 2.1
  Bottom w0.15: D201.1 151.51,100.23 R203.1
Net-(D201-Pad3): length 2.1
  Bottom w0.15: R204.1 152.53,102.13 D201.3
Net-(D201-Pad4): length 1.8
  Bottom w0.15: R205.1 151.87,101.33 D201.4
Net-(FB202-Pad2): length 10.5
  In1.Cu w0.5: J201.GND 148.25,127.1 144.17,127.1 J201.GND
  Bottom w0.15: 148.96,127.81 J201.GND ; 143.46,127.81 J201.GND
  Bottom w0.2: J201.GND 148.96,127.81
  Bottom w0.3: J201.GND 143.46,127.81 ; FB202.2 148.96,124.86 J201.GND
Net-(J201-PadCC1): length 6.1
  Bottom w0.15: J201.CC1 145.46,125.94 145.17,125.65 141.11,125.65 140.7,125.25 140.7,124.89
Net-(R101-Pad1): length 1.7
  Bottom w0.5: 136.88,112.24 136.57,111.93 136.57,110.68
Net-(R207-Pad2): length 2.4
  Bottom w0.15: U201.12 144.09,110.04 143.16,109.12 R207.2
Net-(R208-Pad2): length 3.4
  Bottom w0.15: U201.16 142.9,112.43 142.38,112.95 142.38,114.02 141.62,114.78
Net-(R209-Pad2): length 2
  Bottom w0.15: R209.2 144.09,113.91 U201.1
Net-(U101-PadB6): length 3.8
  Top w0.15: v1(141.78,73.19) 139.52,73.19 v1(138.92,73.79)
  Bottom w0.2: U101.B6 141.78,73.19 v1(141.78,73.19)
  Bottom w0.25: v1(138.92,73.79) 138.82,73.89 Y101.1
Net-(U101-PadC6): length 4.4
  In1.Cu w0.15: v1(138.82,73.02) 139.15,72.69 142.37,72.69 v1(142.88,73.2)
Net-(U101-PadG4): length 34
  In2.Cu w0.15: v1(142.13,67.53) 142.34,67.53 144.5,69.69 144.5,72.41 145.69,73.59 145.69,74 145.98,74.3 146.79,74.3 v1(147.29,74.8)
  Bottom w0.15: v1(142.13,67.53) 142.27,67.39 142.72,67.39 144.96,65.14 150.85,65.14 154.12,61.87 154.12,55.8 JP102.1 JP101.3
unconnected-(D113-Pad2): length 3.4
  Top w0.3: D113.2 150.4,86.35 v1(151.07,85.68)
  Bottom w0.3: D113.2 151.91,86.52 v1(151.07,85.68)

## Copper pours and planes (outline as drawn; the poured copper is in the pictures)
+3V3 on Bottom: 154.5,100.39 154.5,68.3 135.05,68.31 135.06,100.4 137.55,100.4
GND on Top, Bottom, In1.Cu: 155.89,133.88 155.83,64.1 179.88,54.36 153.47,-1.7 153.41,-1.83 76.67,35.81 3.26,35.8 -0.04,39.11 0.06,134.04
VBUS on In2.Cu: 142.78,109.4 136.13,109.4 136.13,123.98 142.78,123.98
VCC on Bottom: 148.65,101.04 144,101.04 144,102.87 148.65,102.87
VCC on Bottom: 145.48,109.75 145.88,109.35 145.88,106.35 144.21,106.35 144.21,110.87 145.48,110.87
VCC on In2.Cu: 149.19,103.96 154.52,103.96 154.57,70.64 141.11,70.64 138.26,69.16 135.93,71.55 135.32,97.82 139.48,101.42 139.38,109.25 142.84,109.25 142.78,113.92 149.19,113.92
+BATT on In2.Cu: 154.47,110.16 148.63,110.16 148.63,114.07 142.78,114.02 142.78,121.18 154.47,121.18
+VSW on Bottom: 143.67,100.85 142.75,99.93 137.19,99.93 137.19,103.45 143.67,103.45
+VSW on In2.Cu: 135.47,113.41 139.03,113.41 139.03,99.64 135.47,99.64 135.47,67.13 137.25,67.13 166.15,53.55 167.84,57.66 177.38,53.13 152.74,0.58 152.49,0.58 76.8,35.89 3.39,35.89 0.09,39.19 0.09,134.09 135.47,134.09
Net-(C201-Pad1) on Top, Bottom, In1.Cu: 152.96,124.04 138.03,124.04 138.03,134.11 152.96,134.11

## Text on the board
B.Silkscreen: EXTRA2 / OUT / BCKLT | + - | R / P
F.Silkscreen: OFF | ON | + - | R / P
